# Allegro board RK3588_Template_LP4XD200P232SD8_41R0X41R0_2133MHz_H1R0_V10_20211230.brd (continued)
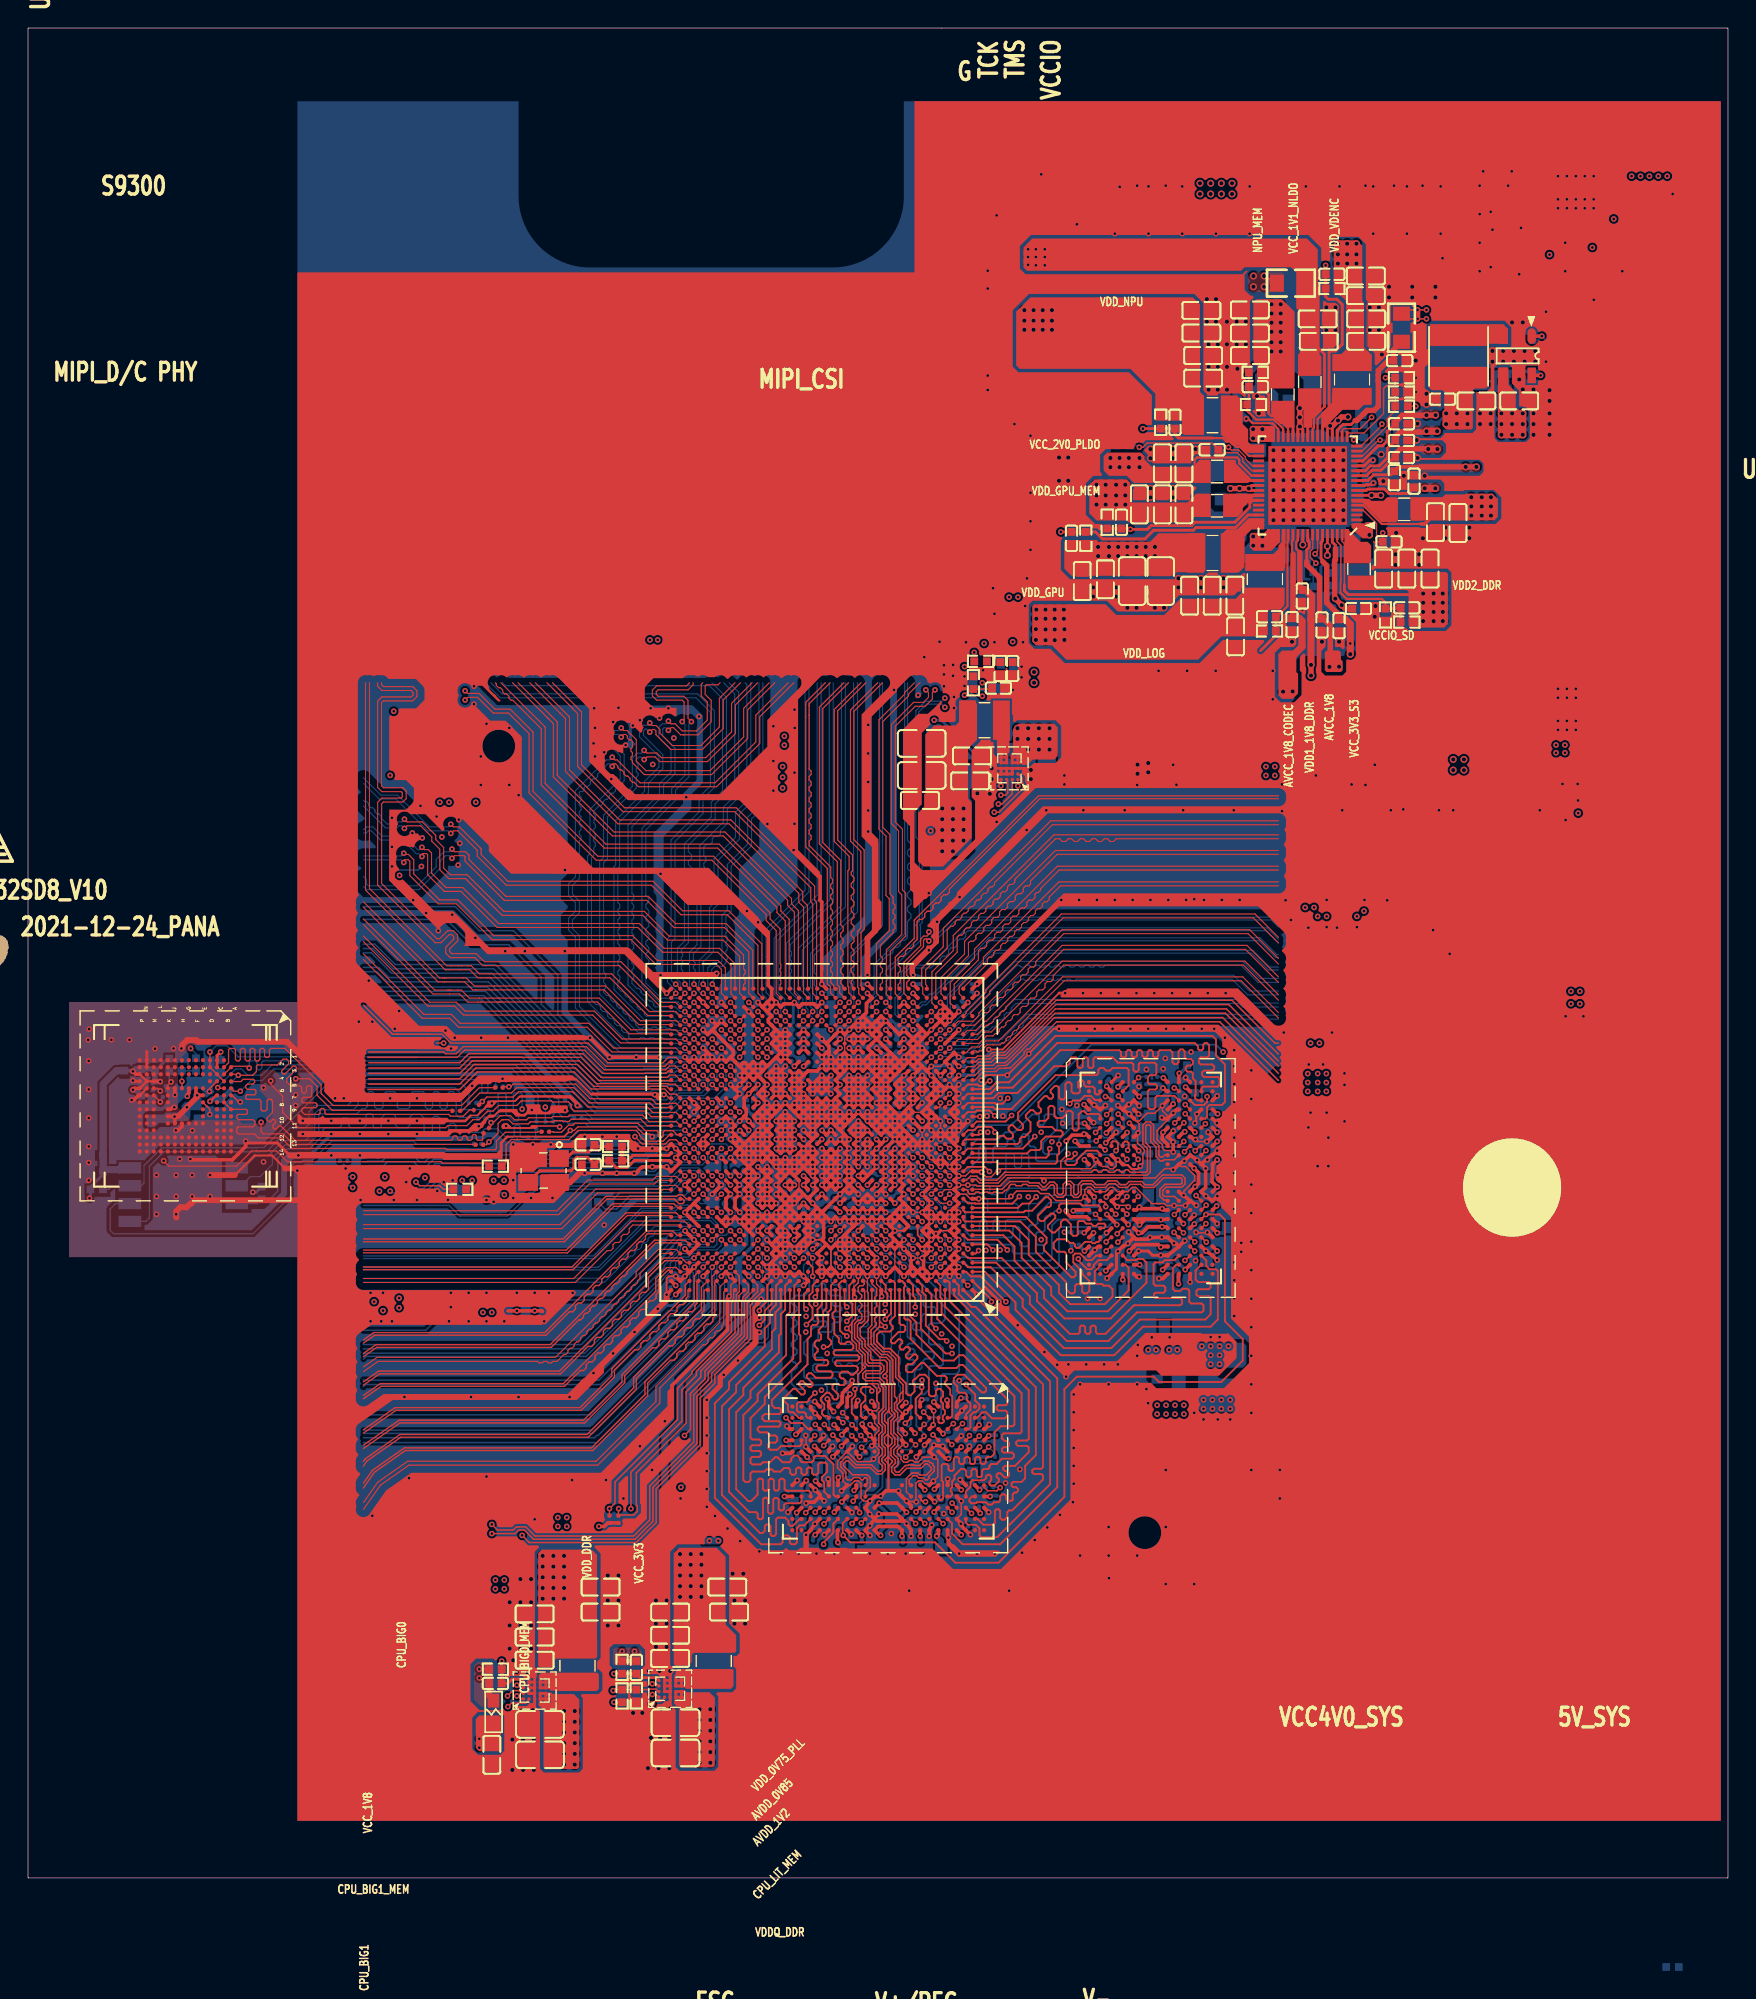
[diagram p0: board, top side]
## Routing (per net, layer and track width the routed paths; a pad name or vN(x,y) marks a point on that pad's centre or on a via; arc(x,y) is an arc through that point) (continued)
DDR_CH0_DQS1P_A: length 25.6
  TOP w0.102: U3800.D10 v1(82.39,55.05) ; v1(64.96,55.18) 64.96,54.95 64.86,54.85 U1000.AA5
  L6-S2 w0.099: v1(82.39,55.05) 82.42,55.03 82.42,54.87 82.54,54.75 82.69,54.75 82.84,54.9 82.84,55.21 82.75,55.3 82.75,55.57 82.84,55.66 82.84,57.19 81.31,58.72 72.1,58.72 70.28,56.9 69.89,56.52 69.66,56.52 68.72,55.58 67.42,55.58 67.33,55.48 67.33,55.33 67.11,55.12 66.96,55.12 66.8,54.96 66.8,54.74 66.6,54.53 65.55,54.53 65.28,54.81 65.28,55.37 65.18,55.47 65.07,55.47 64.96,55.37 v1(64.96,55.18)
DDR_CH0_DQS1P_B: length 25.4
  TOP w0.102: v1(83.06,44.63) U3800.W10 ; U1000.F5 v1(64.96,44.78)
  L6-S2 w0.099: v1(64.96,44.78) 65.09,44.78 65.19,44.68 65.19,44.45 65.69,43.94 66.67,43.94 68.36,42.26 69.81,42.26 70.23,41.83 70.75,41.83 70.84,41.74 70.84,41.51 71.05,41.3 71.34,41.3 71.55,41.51 71.55,41.74 71.64,41.83 71.77,41.83 71.86,41.74 71.86,41.51 72.06,41.3 72.36,41.3 72.57,41.51 72.57,41.74 72.66,41.83 72.78,41.83 72.87,41.74 72.87,41.51 73.08,41.3 73.37,41.3 73.58,41.51 73.58,41.74 73.67,41.83 74.17,41.83 74.46,41.55 74.77,41.55 74.93,41.71 75.39,41.71 75.49,41.61 76.71,41.61 76.86,41.45 77.52,41.45 77.67,41.61 80.72,41.61 80.98,41.86 80.98,42.21 81.56,42.79 81.56,44.31 82.05,44.81 82.89,44.81 v1(83.06,44.63)
DDR_CH0_LP4/4X_CKE0/LP5_CS0_A: length 19.1
  TOP w0.086: U1000.P7 v1(63.66,49.98)
  BOTTOM w0.086: v1(63.66,49.98) 63.84,49.98 64.16,49.65 66.52,49.65 66.65,49.78 69.15,49.78 69.63,50.26 69.63,51.47 69.72,51.56 70.1,51.56 70.23,51.44 70.23,50.67 70.36,50.55 70.61,50.55 70.74,50.67 70.74,51.44 70.87,51.56 71.12,51.56 71.25,51.44 71.25,50.65 71.37,50.52 74.88,50.52 75.03,50.37 77.6,50.37 77.7,50.27 R3801.1
DDR_CH0_LP4/4X_CKE0/LP5_CS0_B: length 18.6
  TOP w0.086: v1(65.61,48.03) 64.96,48.03 64.64,48.35 U1000.L5
  BOTTOM w0.086: R3804.1 75.06,49.02 74.63,48.59 72.47,48.59 71.88,48.01 71.37,48.01 71.25,47.88 71.25,47.12 70.99,46.86 69.72,46.86 69.6,46.74 69.6,46.23 69.47,46.1 69.29,46.1 69.16,46.23 69.16,46.74 69.04,46.86 68.83,46.86 68.71,46.74 68.71,46.23 68.58,46.1 68.4,46.1 68.27,46.23 68.27,46.74 68.14,46.86 67.89,46.86 67.76,46.74 67.76,46.23 67.64,46.1 67.31,46.1 67.18,46.23 67.18,47.94 66.99,48.13 65.72,48.13 v1(65.61,48.03)
DDR_CH0_LP4/4X_CKE0_A: length 0.9
  TOP w0.089: U3800.J4 v1(78.24,51.16)
  BOTTOM w0.086: v1(78.24,51.16) 78.24,51.03 R3801.2
DDR_CH0_LP4/4X_CKE0_B: length 1.5
  TOP w0.089: U3800.P4 v1(78.24,48.5)
  BOTTOM w0.086: v1(78.24,48.5) 78.11,48.5 77.6,49.02 R3804.2
DDR_CH0_LP4/4X_CKE1/LP5_CS1_A: length 17.3
  TOP w0.086: U1000.N7 v1(63.66,49.33)
  BOTTOM w0.086: v1(63.66,49.33) 63.83,49.33 64.15,49 67.1,49 67.37,49.28 68.35,49.28 68.47,49.15 68.47,48.77 68.6,48.64 68.86,48.64 68.98,48.77 68.98,49.15 69.11,49.28 69.41,49.28 69.99,49.86 71.2,49.86 71.35,50.01 74.7,50.01 74.85,49.86 78.33,49.86 R3802.1
DDR_CH0_LP4/4X_CKE1/LP5_CS1_B: length 17.5
  TOP w0.086: U1000.L4 v1(65.61,48.68)
  BOTTOM w0.086: v1(65.61,48.68) 67.41,48.68 67.5,48.77 67.82,48.77 68.33,48.26 68.33,47.5 68.45,47.37 70.36,47.37 70.48,47.5 70.48,47.88 70.36,48.01 69.72,48.01 69.6,48.13 69.6,48.75 69.95,49.1 74.3,49.1 74.55,49.35 78.03,49.35 78.24,49.14 R3805.1
DDR_CH0_LP4/4X_CKE1_A: length 0.9
  TOP w0.089: v1(79.04,51.16) U3800.J5
  BOTTOM w0.086: R3802.2 78.74,50.86 v1(79.04,51.16)
DDR_CH0_LP4/4X_CKE1_B: length 1.1
  TOP w0.089: v1(79.05,48.51) U3800.P5
  BOTTOM w0.086: R3805.2 78.76,49.02 79.05,48.74 v1(79.05,48.51)
DDR_CH0_LP4/4X_CS0_A: length 18.8
  TOP w0.127: U3800.H4 77.94,52.29 78.08,52.42 78.26,52.42 78.36,52.32 78.36,51.87 v1(78.29,51.81) ; U1000.R6 v1(64.31,50.63)
  L6-S2 w0.089: 66.73,50.94 66.41,50.94 66.4,50.95 66.13,50.95 64.64,50.95 v1(64.31,50.63)
  L6-S2 w0.127: 66.73,50.94 66.89,50.77 78.46,50.77 78.71,51.02 78.71,51.29 78.75,51.33 78.75,52.32 78.62,52.45 78.39,52.45 78.26,52.32 78.26,51.83 v1(78.29,51.81)
DDR_CH0_LP4/4X_CS0_B: length 21.9
  TOP w0.127: v1(78.24,47.25) U3800.R4 ; U1000.L7 v1(63.66,48.03)
  BOTTOM w0.089: v1(63.66,48.03) 63.66,47.84 63.99,47.51 63.99,47.24 64.18,47.05 64.45,47.05 64.64,46.86 64.64,46.49 65.29,45.84 65.29,44.36 65.81,43.84
  BOTTOM w0.127: 65.81,43.84 66.65,43.84 67.06,43.43 73.28,43.43 73.41,43.56 73.41,46.23 73.52,46.34 76.87,46.34 77.17,46.64 77.39,46.86 77.85,46.86 78.24,47.25 v1(78.24,47.25)
DDR_CH0_LP4/4X_CS1_A: length 22.4
  TOP w0.127: v1(63.66,50.63) 63.34,50.95 U1000.R7 ; v1(77.46,51.78) 77.6,51.91 77.6,52.31 77.47,52.44 77.23,52.44 77.14,52.35 U3800.H3
  BOTTOM w0.089: v1(63.66,50.63) 63.8,50.63 64.12,50.3 66.81,50.3 66.84,50.33
  BOTTOM w0.127: v1(77.46,51.78) 77.17,51.49 76.28,51.49 76.2,51.56 75.06,51.56 74.52,51.03 71.88,51.03 71.75,51.16 71.75,51.94 71.63,52.07 71.37,52.07 71.25,52.2 71.25,52.83 71.12,52.96 70.87,52.96 70.74,52.83 70.74,52.2 70.61,52.07 70.36,52.07 70.23,52.2 70.23,52.45 70.1,52.58 69.85,52.58 69.72,52.45 69.72,52.2 69.6,52.07 68.83,52.07 68.71,51.94 68.71,51.05 68.58,50.93 68.33,50.93 68.2,51.05 68.2,51.94 68.07,52.07 67.82,52.07 67.69,51.94 67.69,51.18 66.84,50.33
DDR_CH0_LP4/4X_CS1_B: length 21.3
  TOP w0.127: U1000.L8 v1(63.01,48.03) ; v1(77.45,47.24) U3800.R3
  BOTTOM w0.089: v1(63.01,48.03) 63.21,48.03 63.53,48.35 63.8,48.35 63.99,48.16 63.99,47.83 64.12,47.7 64.45,47.7 65.29,46.86 65.29,46.34 65.94,45.69 65.94,44.42
  BOTTOM w0.127: 65.94,44.42 66.17,44.2 66.93,44.2 67.18,43.94 72.77,43.94 72.9,44.07 72.9,46.44 73.32,46.86 76.96,46.86 77.34,47.24 v1(77.45,47.24)
DDR_CH1_A0_C: length 20
  TOP w0.127: U3801.H2 63.2,33.08 63.2,34.11 63.63,34.54 v1(63.63,34.93) ; U1000.G12 v1(60.41,45.43)
  BOTTOM w0.089: v1(60.41,45.43) 60.59,45.43 60.92,45.1 61.2,45.1 61.39,44.91 61.39,44.64 62.23,43.8 62.5,43.8 62.69,43.61 62.69,42.59
  BOTTOM w0.127: 62.69,42.59 63.75,41.53 63.75,40.77 63.88,40.64 64.52,40.64 64.64,40.51 64.64,40.26 64.52,40.13 63.75,40.13 63.63,40.01 63.63,39.62 63.5,39.5 63.12,39.5 62.99,39.37 62.99,39.12 63.12,38.99 63.5,38.99 63.63,38.86 63.63,37.59 63.75,37.47 64.39,37.47 64.52,37.34 64.52,37.08 64.39,36.96 63.88,36.96 63.63,36.7 63.63,36.32 63.5,36.2 63.25,36.2 63.12,36.07 63.12,35.08 63.25,34.95 63.6,34.95 v1(63.63,34.93)
DDR_CH1_A0_D: length 24.4
  TOP w0.127: U1000.H15 v1(57.81,46.08) ; v1(58.88,34.8) 58.88,34.75 58.9,34.72 58.9,34.32 58.65,34.06 58.65,33.07 U3801.R2
  BOTTOM w0.089: 57.18,44.96 57.49,45.27 57.49,45.58 57.81,45.9 v1(57.81,46.08)
  BOTTOM w0.127: v1(58.88,34.8) 58.9,34.8 59.13,35.03 59.13,35.81 59,35.94 57.79,35.94 57.71,36.02 56.01,36.02 55.88,36.14 55.88,36.45 56.01,36.58 56.54,36.58 56.67,36.7 56.67,36.91 56.54,37.03 56.01,37.03 55.88,37.16 55.88,37.97 56.26,38.35 56.26,38.73 56.39,38.86 57.15,38.86 57.28,38.99 57.28,39.45 57.39,39.56 57.8,39.56 57.91,39.67 57.91,39.83 57.8,39.94 57.39,39.94 57.28,40.05 57.28,40.21 57.39,40.32 57.8,40.32 57.91,40.43 57.91,40.59 57.8,40.7 57.39,40.7 57.28,40.81 57.28,40.97 57.39,41.08 57.8,41.08 57.91,41.2 57.91,41.35 57.8,41.46 57.13,41.46 57.02,41.58 57.02,41.73 57.13,41.85 57.8,41.85 57.91,41.96 57.91,42.12 57.8,42.23 57.39,42.23 57.18,42.44 57.18,44.96
DDR_CH1_A1_C: length 19.1
  TOP w0.127: v1(62.46,32.37) 62.49,32.37 U3801.J2 ; U1000.F12 60.09,45.1 v1(60.41,44.78)
  BOTTOM w0.089: 62.24,42.41 62.04,42.61 62.04,43.61 61.2,44.45 60.5,44.45 60.41,44.54 v1(60.41,44.78)
  BOTTOM w0.127: 62.24,42.41 62.61,42.04 62.61,41.66 62.74,41.53 63.27,41.53 63.4,41.4 63.4,41.15 63.27,41.02 62.74,41.02 62.61,40.89 62.61,38.53 62.72,38.42 63.01,38.42 63.12,38.31 63.12,38.15 63.01,38.04 62.72,38.04 62.61,37.93 62.61,37.77 62.72,37.66 63.01,37.66 63.12,37.55 63.12,37.39 63.01,37.28 62.72,37.28 62.61,37.17 62.61,37.01 62.72,36.9 63.01,36.9 63.12,36.79 63.12,36.63 63.01,36.52 62.72,36.52 62.61,36.41 62.61,34.54 62.85,34.31 62.85,32.27 62.72,32.15 62.59,32.15 62.46,32.27 v1(62.46,32.37)
DDR_CH1_A1_D: length 23.6
  TOP w0.127: v1(60.07,34.67) 60.07,34.8 59.92,34.96 59.44,34.96 59.29,34.8 59.29,34.62 59.61,34.29 59.61,34.01 59.3,33.69 59.3,32.88 59.42,32.75 59.62,32.75 U3801.P2 ; U1000.G14 v1(59.11,45.43)
  L6-S2 w0.089: 58.79,42.56 58.79,42.96 58.79,45.58 58.93,45.72 59.05,45.72 59.11,45.66 v1(59.11,45.43)
  L6-S2 w0.127: 58.79,42.56 58.8,42.55 58.8,42.42 58.67,42.29 58.17,42.29 58.04,42.16 58.04,41.68 58.17,41.56 58.45,41.56 58.67,41.78 58.93,41.78 59.27,42.12 59.45,42.12 59.69,41.88 59.69,41.66 59.59,41.56 59.59,41.38 59.69,41.28 59.69,41.07 59.56,40.95 58.91,40.95 58.8,40.84 58.8,40.68 58.91,40.57 59.58,40.57 59.69,40.46 59.69,40.3 59.58,40.19 59.29,40.19 59.18,40.07 59.18,39.92 59.29,39.8 59.58,39.8 59.69,39.69 59.69,38.99 60.07,38.61 60.07,38.42 60.2,38.29 60.39,38.29 60.58,38.1 60.58,37.87 60.47,37.76 60.06,37.76 59.94,37.65 59.94,37.49 60.06,37.38 60.47,37.38 60.58,37.27 60.58,37.08 60.45,36.96 60.07,36.96 59.94,36.83 59.94,36.7 60.09,36.56 60.33,36.56 60.45,36.43 60.45,36.32 60.2,36.07 60.2,35.74 60.09,35.63 60.06,35.63 59.94,35.52 59.94,35.36 60.06,35.25 60.09,35.25 60.2,35.14 60.2,34.8 v1(60.07,34.67)
DDR_CH1_A2_C: length 20.6
  TOP w0.127: U1000.E13 59.44,44.45 v1(59.76,44.13) ; v1(63.9,26.78) 63.72,26.78 63.59,26.9 63.59,27.08 U3801.H9
  L6-S2 w0.089: v1(59.76,44.13) 60.09,43.8 60.59,43.8 60.74,43.65 60.74,42.72 60.74,42.71 60.74,42.69 60.93,42.5 60.95,42.5 61.14,42.32
  L6-S2 w0.127: v1(63.9,26.78) 63.72,26.78 63.59,26.9 63.59,27.08 62.87,27.81 62.87,30.67 62.85,30.69 62.85,30.97 62.8,31.03 62.8,31.78 62.87,31.85 62.87,39.47 62.61,39.73 62.61,40.84 61.14,42.32
DDR_CH1_A2_D: length 21.8
  TOP w0.127: v1(58.75,26.82) 58.97,27.04 U3801.R9 ; U1000.G13 v1(59.76,45.43)
  L6-S2 w0.089: v1(59.76,45.43) 59.44,45.1 59.44,42.67 59.75,42.35
  L6-S2 w0.127: v1(58.75,26.82) 59.33,26.82 60.83,28.32 60.83,33.66 60.58,33.91 60.58,35.94 61.09,36.45 61.09,38.13 60.07,39.15 60.07,42.04 59.75,42.35
DDR_CH1_A3_C: length 19.9
  TOP w0.127: U3801.H10 v1(63.22,26.06) ; v1(59.76,43.48) 59.44,43.8 U1000.D13
  L6-S2 w0.089: v1(59.76,43.48) 59.77,43.45 60.09,43.13 60.09,42.65 60.43,42.32
  L6-S2 w0.127: v1(63.22,26.06) 62.89,26.39 62.89,27.15 62.1,27.94 62.1,34.29 62.36,34.54 62.36,39.14 62.13,39.37 62.13,40.61 60.43,42.32
DDR_CH1_A3_D: length 21.3
  TOP w0.127: U1000.E14 58.79,44.45 v1(59.11,44.13) ; v1(59.2,26.01) 59.2,26.12 U3801.R10
  BOTTOM w0.089: 59.6,42.51 59.44,42.67 59.44,43.34 59.44,43.8 v1(59.11,44.13)
  BOTTOM w0.127: 59.6,42.51 60.33,41.78 60.33,40.89 60.58,40.64 60.58,40.13 60.33,39.88 60.33,39.24 60.96,38.61 60.96,37.34 60.66,37.03 60.66,35.2 60.96,34.9 60.96,33.53 60.83,33.4 60.83,27.81 60.3,27.28 59.82,27.28 59.2,26.67 v1(59.2,26.01)
DDR_CH1_A4_C: length 19.3
  TOP w0.127: v1(61.03,39.77) 61.44,40.18 61.44,41.8 U1000.A10 ; U3801.H11 v1(63.85,25.23)
  L6-S2 w0.127: v1(61.03,39.77) 61.98,38.83 61.98,35.28 61.59,34.9 61.59,26.49 62.43,25.65 63.42,25.65 v1(63.85,25.23)
DDR_CH1_A4_D: length 19.7
  TOP w0.127: U3801.R11 58.67,25.25 v1(58.67,25.23) ; U1000.A15 58.14,40.79 v1(58.29,40.64)
  L6-S2 w0.127: v1(58.29,40.64) 58.32,40.64 58.67,40.28 58.67,39.88 59.31,39.24 59.31,38.73 59.56,38.48 59.56,35.18 59.69,35.05 59.69,33.4 59.56,33.27 59.56,33.02 59.82,32.77 60.07,32.77 60.45,32.39 60.45,30.61 59.69,29.85 59.69,27.76 59.16,27.23 58.6,27.23 58.29,26.92 58.29,25.63 58.67,25.25 v1(58.67,25.23)
DDR_CH1_A5_C: length 20.4
  TOP w0.127: U1000.B11 60.74,42.5 61.06,42.19 61.06,41.73 61.18,41.6 61.18,41.04 61.03,40.89 v1(61.03,40.84) ; U3801.J11 v1(63.2,25.23)
  L6-S2 w0.127: v1(63.2,25.23) 62.85,24.88 62.4,24.88 61.21,26.07 61.21,35.2 61.59,35.59 61.59,38.16 60.69,39.07 60.69,40.5 v1(61.03,40.84)
DDR_CH1_A5_D: length 21.4
  TOP w0.127: U1000.B14 58.79,42.5 58.47,42.18 58.47,41.1 58.7,40.87 58.7,40.03 v1(58.29,39.62) ; U3801.P11 v1(59.32,25.26)
  L6-S2 w0.127: v1(59.32,25.26) 58.93,24.87 58.5,24.87 57.91,25.45 57.91,26.16 57.56,26.52 57.56,27.71 57.79,27.94 57.89,27.94 58.29,28.35 58.29,31.62 58.55,31.88 58.8,31.88 59.03,32.11 59.03,33.15 58.7,33.48 58.7,34.11 59.3,34.71 59.3,34.89 59.18,35 59.18,38.32 58.67,38.83 58.67,39.24 v1(58.29,39.62)
DDR_CH1_CLKN_C: length 21.8
  TOP w0.102: U3801.J9 62.53,27.49 62.53,28.43 62.93,28.83 63.35,28.83 63.5,28.68 63.95,28.68 64.32,29.05 64.32,29.19 64.04,29.47 63.9,29.47 63.58,29.16 62.55,29.16 62.08,28.69 61.72,28.69 61.49,28.92 61.49,29.26 61.75,29.52 61.75,29.76 61.44,30.06 61.44,30.57 61.71,30.85 61.71,31.34 61.44,31.62 61.44,32.55 61.71,32.82 61.71,33.03 61.49,33.26 61.49,35.13 61.37,35.26 61.37,36.8 61.1,37.06 60.66,37.06 59.82,37.91 59.82,39.09 60.07,39.34 60.07,41.83 U1000.A12
DDR_CH1_CLKN_D: length 24.8
  TOP w0.102: U3801.P9 59.62,27.49 59.97,27.84 59.97,28.48 59.75,28.7 58.7,28.7 58.06,29.34 58.06,29.5 58.25,29.69 58.39,29.69 58.87,29.21 59.97,29.21 60.42,28.76 60.76,28.76 61.03,29.03 61.03,29.42 60.78,29.67 60.78,29.84 61.03,30.09 61.03,30.59 60.78,30.85 60.78,31.46 61.03,31.71 61.03,32.19 60.78,32.45 60.78,33.06 61.08,33.36 61.08,34.97 60.96,35.09 60.96,35.28 60.64,35.6 59.72,35.6 59.63,35.69 59.63,35.82 59.72,35.91 60.72,35.91 60.93,36.12 60.93,36.43 60.71,36.65 59.9,36.65 59.8,36.75 59.8,37.35 59.39,37.76 59.39,38.18 59.05,38.51 59.05,39.38 59.18,39.5 59.34,39.5 59.56,39.72 59.56,41.73 U1000.A13
DDR_CH1_CLKP_C: length 22.5
  TOP w0.102: U3801.J8 62.84,27.95 62.74,28.05 62.74,28.35 63.02,28.63 63.26,28.63 63.42,28.47 63.75,28.47 63.89,28.34 64.03,28.34 64.14,28.45 64.14,28.58 64.52,28.96 64.52,29.27 64.42,29.37 64.42,29.46 64.32,29.56 64.23,29.56 64.12,29.67 63.81,29.67 63.5,29.36 63.07,29.36 63.02,29.41 62.71,29.41 62.66,29.36 62.47,29.36 62,28.89 61.8,28.89 61.69,29 61.69,29.18 61.95,29.44 61.95,29.84 61.64,30.15 61.64,30.49 61.92,30.77 61.92,31.43 61.64,31.7 61.64,32.46 61.92,32.74 61.92,33.12 61.69,33.34 61.69,33.78 61.85,33.94 61.85,34.13 61.69,34.29 61.69,35.22 61.57,35.34 61.57,36.88 61.19,37.26 60.75,37.26 60.02,37.99 60.02,39 60.38,39.37 60.38,39.51 60.27,39.62 60.27,39.83 60.42,39.97 60.42,40.11 60.27,40.26 60.27,40.56 60.42,40.71 60.42,41.02 60.35,41.09 60.27,41.16 60.27,41.32 60.42,41.47 60.42,41.96 60.09,42.29 U1000.B12
DDR_CH1_CLKP_D: length 25.8
  TOP w0.102: U3801.P8 59.76,28.1 59.76,28.4 59.68,28.49 59.58,28.49 59.44,28.35 59.33,28.35 59.18,28.5 58.8,28.5 58.64,28.33 58.36,28.33 58.23,28.46 58.23,28.89 57.86,29.25 57.86,29.59 58.25,29.97 58.39,29.97 58.95,29.41 60.05,29.41 60.51,28.96 60.68,28.96 60.83,29.11 60.83,29.34 60.58,29.59 60.58,29.92 60.83,30.17 60.83,30.51 60.57,30.77 60.57,31.54 60.83,31.8 60.83,32.11 60.57,32.37 60.57,33.14 60.88,33.45 60.88,34.88 60.76,35 60.76,35.19 60.55,35.4 59.64,35.4 59.43,35.61 59.43,35.9 59.64,36.11 60.64,36.11 60.73,36.2 60.73,36.35 60.63,36.45 59.81,36.45 59.59,36.67 59.59,37.27 59.18,37.68 59.18,38.09 58.85,38.43 58.85,39.46 59.09,39.7 59.26,39.7 59.36,39.81 59.36,40.13 59.18,40.31 59.18,40.46 59.36,40.64 59.36,40.84 59.19,41.01 59.19,41.16 59.36,41.33 59.36,41.48 59.1,41.74 59.1,42.04 59.23,42.16 59.43,42.16 59.53,42.27 59.53,42.41 U1000.B13
DDR_CH1_DM0_C: length 17.5
  TOP w0.127: v1(66.8,35.13) 66.8,35.05 67.44,34.42 67.44,33.98 67.74,33.68 67.74,33.43 67.46,33.15 67.31,33.15 67.09,32.93 67.09,32.08 66.97,31.95 U3801.C3 ; U1000.F8 v1(63.01,44.78)
  L6-S2 w0.089: v1(63.01,44.78) 62.69,44.45 62.5,44.45 62.5,44.45 62.23,44.45 62.23,44.45 62.1,44.45 61.98,44.32 61.98,43 62.02,42.96 62.02,42.37
  L6-S2 w0.127: v1(66.8,35.13) 66.8,38.35 65.09,40.07 64.33,40.07 62.02,42.37
DDR_CH1_DM0_D: length 14.7
  TOP w0.127: v1(55.21,44.13) 54.89,43.8 U1000.D20 ; U3801.Y3 55.55,31.95 55.12,32.39 54.33,32.39 v1(53.96,32.75)
  L6-S2 w0.089: v1(55.21,44.13) 55.37,43.97 55.37,43.31 55.54,43.14 55.54,41.95
  L6-S2 w0.127: 55.54,41.95 54.86,41.28 54.86,40.26 54.1,39.5 54.1,32.89 v1(53.96,32.75)
DDR_CH1_DM1_C: length 21.8
  TOP w0.127: v1(64.97,43.48) 65.29,43.8 U1000.D4 ; U3801.C10 v1(67.17,25.95)
  L6-S2 w0.089: 67.16,41.04 66.55,41.66 66.55,41.78 65.91,42.42 65.41,42.42 65.28,42.55 65.28,42.68 65.29,42.69 65.29,42.96 65.28,42.97 65.28,43.17 v1(64.97,43.48)
  L6-S2 w0.127: 67.16,41.04 69.6,38.61 69.6,28.83 67.69,26.92 67.69,26.54 67.17,26.03 v1(67.17,25.95)
DDR_CH1_DM1_D: length 21.1
  TOP w0.127: U1000.D22 53.59,43.8 v1(53.91,43.48) ; U3801.Y10 v1(55.37,26)
  L6-S2 w0.089: v1(53.91,43.48) 53.59,43.16 53.59,42.97 53.59,42.96 53.59,42.69 53.59,42.69 53.59,42.29 53.31,42.01
  L6-S2 w0.127: v1(55.37,26) 54.83,26.54 53.85,26.54 52.07,28.32 52.07,38.23 52.58,38.73 52.58,40.46 53.21,41.1 53.21,41.91 53.31,42.01
DDR_CH1_DQ0_C: length 17.3
  TOP w0.127: U3801.B2 67.55,32.75 67.94,33.15 68.2,33.15 68.63,32.72 69.55,32.72 69.72,32.89 69.72,33.16 69.61,33.27 69.07,33.27 68.96,33.38 68.96,33.54 69.07,33.65 69.61,33.65 69.72,33.76 69.72,34.09 66.6,37.21 66.29,37.21 65.91,36.83 65.1,36.83 63.25,38.68 63.25,39.55 62.78,40.01 62.78,41.62 62.69,41.71 U1000.A8
DDR_CH1_DQ0_D: length 18.7
  TOP w0.127: U3801.AA2 54.88,32.75 54.48,33.15 54.23,33.15 54.1,33.27 54.1,33.68 53.81,33.97 53.81,34.15 54.48,34.82 54.64,34.82 55.04,34.41 55.2,34.41 55.31,34.52 55.31,34.68 54.9,35.09 54.9,35.25 55.02,35.36 55.17,35.36 55.58,34.95 55.74,34.95 55.85,35.06 55.85,35.22 55.44,35.63 55.44,35.79 55.59,35.93 55.77,35.93 56.08,35.61 57.15,35.61 57.28,35.74 57.28,35.94 57.15,36.07 56.26,36.07 56.13,36.2 56.13,36.38 56.25,36.49 56.86,36.49 56.97,36.6 56.97,36.76 56.86,36.87 56.12,36.87 56.01,36.98 56.01,37.27 56.22,37.48 56.22,37.66 56.01,37.87 56.01,38.14 56.12,38.25 56.33,38.25 56.46,38.38 56.46,38.67 56.29,38.84 56.29,39.02 56.61,39.34 56.61,40.33 56.84,40.56 56.84,41.85 U1000.A17
DDR_CH1_DQ1_C: length 18.6
  TOP w0.127: U3801.C2 66.77,32.99 67.1,33.31 67.1,33.78 66.97,33.91 66.93,33.91 66.84,34 66.84,34.38 66.67,34.54 66.29,34.54 66.17,34.67 66.17,34.99 65.91,35.25 65.91,35.56 66.18,35.82 66.65,35.82 67.91,34.56 68.09,34.56 68.22,34.69 68.22,34.87 66.57,36.52 66.32,36.52 66.1,36.3 64.89,36.3 62.84,38.36 62.84,39.62 62.71,39.75 62.48,39.75 62.4,39.84 62.4,41.33 62.36,41.36 62.36,42.04 62.44,42.12 62.44,42.3 62.24,42.5 U1000.B9
DDR_CH1_DQ1_D: length 16.5
  TOP w0.127: U1000.B16 57.49,42.5 57.17,42.18 57.17,40.48 56.97,40.28 56.97,38.43 57.18,38.22 57.18,38.01 56.97,37.8 v1(56.64,37.8) ; U3801.Y2 55.52,32.75 55.39,32.88 55.39,33.02 55.27,33.15 54.86,33.15 54.74,33.27 54.74,33.74 54.86,33.87 55.46,33.87 55.58,34 55.58,34.08 v1(56.03,34.52)
  L6-S2 w0.127: v1(56.64,37.8) 56.76,37.91 56.76,38.09 56.57,38.27 56.39,38.27 56.08,37.97 56.08,37.77 56.23,37.62 56.23,37.44 56.11,37.31 55.75,37.31 55.63,37.18 55.63,36.98 55.74,36.87 55.93,36.87 56.05,36.76 56.05,36.6 55.93,36.49 55.74,36.49 55.63,36.37 55.63,36.22 55.74,36.11 55.93,36.11 56.05,35.99 56.05,35.84 55.93,35.72 55.74,35.72 55.63,35.61 55.63,35.45 55.74,35.34 55.93,35.34 56.05,35.23 56.05,35.07 55.93,34.96 55.74,34.96 55.63,34.85 55.63,34.42 55.75,34.29 55.93,34.29 56.03,34.39 v1(56.03,34.52)
DDR_CH1_DQ2_C: length 17.4
  TOP w0.127: U1000.A9 62.04,41.85 62.04,39.49 62.17,39.36 62.34,39.36 62.46,39.24 62.46,38.99 62.33,38.86 61.98,38.86 61.44,38.33 61.44,38.15 61.53,38.06 61.69,38.06 61.97,38.34 62.13,38.34 62.24,38.23 62.24,38.07 62.05,37.88 62.05,37.73 62.17,37.61 62.32,37.61 62.51,37.8 62.67,37.8 62.78,37.69 62.78,37.53 62.5,37.25 62.5,37.09 62.61,36.98 62.77,36.98 63.05,37.26 63.21,37.26 63.32,37.15 63.32,36.97 62.92,36.58 62.64,36.58 62.51,36.45 62.51,36.13 62.64,36 62.93,36 63.59,36.67 63.77,36.67 64.7,35.74 65.28,35.74 65.41,35.62 65.41,35.43 65.3,35.32 65.3,35.14 65.66,34.78 65.66,34.42 65.79,34.28 65.79,32.88 65.67,32.75 U3801.E2
DDR_CH1_DQ2_D: length 21.2
  TOP w0.127: U3801.V2 57.02,32.76 56.89,32.89 56.69,32.89 56.54,33.04 56.54,33.22 56.69,33.38 56.69,33.73 56.44,33.98 56.44,34.16 56.57,34.29 56.59,34.29 56.84,34.54 57.02,34.54 57.28,34.29 57.28,34.16 57.38,34.06 57.56,34.06 57.66,34.16 57.66,34.44 57.28,34.82 57.28,35.04 57.4,35.17 57.67,35.17 57.75,35.09 58.08,35.09 58.2,35.22 58.2,35.4 58.04,35.56 57.91,35.56 57.79,35.69 57.79,35.89 57.94,36.04 58.37,36.04 58.58,35.83 58.76,35.83 59.08,36.14 59.08,36.32 58.95,36.45 57.58,36.45 57.48,36.55 57.48,36.73 57.58,36.83 59.05,36.83 59.17,36.96 59.17,37.09 59.05,37.21 57.46,37.21 57.36,37.31 57.36,37.47 57.48,37.59 58.64,37.59 58.76,37.72 58.76,37.9 58.49,38.17 58.31,38.17 58.17,38.03 57.85,38.03 57.73,38.15 57.73,38.42 57.4,38.74 57.4,39.75 57.28,39.88 57.28,40.18 57.49,40.4 57.49,41.85 U1000.A16
DDR_CH1_DQ3_C: length 19.3
  TOP w0.127: U3801.F2 64.82,32.46 64.91,32.37 65.09,32.37 65.2,32.49 65.2,32.56 65.12,32.65 65.12,32.87 65.28,33.02 65.28,33.27 65.15,33.4 65.15,33.78 64.98,33.94 64.98,34.12 65.15,34.29 65.15,34.61 64.95,34.81 64.77,34.81 64.64,34.68 64.64,34.42 64.52,34.29 64.26,34.29 64.14,34.42 64.14,35.56 63.87,35.82 63.48,35.82 63.18,35.52 63.12,35.52 62.99,35.39 62.99,35.18 63.12,35.05 63.12,34.63 62.85,34.36 62.66,34.36 62.52,34.5 62.52,35.19 61.99,35.72 61.99,37.07 61.38,37.68 60.92,37.68 60.44,38.16 60.44,38.68 60.66,38.9 61.37,38.9 61.57,39.09 61.57,39.27 61.38,39.46 61.38,39.66 61.72,40 61.72,42.38 61.59,42.5 U1000.B10
DDR_CH1_DQ3_D: length 16.3
  TOP w0.127: U1000.B15 58.11,42.48 57.92,42.48 57.72,42.28 57.72,42.1 57.81,42.01 57.81,38.97 58.04,38.73 58.13,38.73 v1(58.29,38.57) ; v1(58.01,32.41) U3801.U2
  L6-S2 w0.127: v1(58.29,38.57) 58.29,38.39 58.42,38.26 58.71,38.26 58.8,38.17 58.8,37.97 58.69,37.86 58.12,37.86 58.01,37.75 58.01,37.59 58.12,37.48 58.69,37.48 58.8,37.37 58.8,37.21 58.69,37.1 58.12,37.1 58.01,36.99 58.01,36.83 58.12,36.72 58.69,36.72 58.8,36.61 58.8,36.43 58.67,36.3 58.14,36.3 58.01,36.16 58.01,35.87 58.12,35.76 58.2,35.76 58.31,35.65 58.31,35.49 58.2,35.38 58.12,35.38 58.01,35.27 58.01,35.11 58.12,35 58.2,35 58.31,34.89 58.31,34.73 58.2,34.62 58.12,34.62 58.01,34.5 58.01,34.29 58.13,34.16 58.29,34.16 58.39,34.06 58.39,33.88 58.29,33.78 58.17,33.78 58.06,33.68 58.06,33.55 58.39,33.22 58.39,32.79 v1(58.01,32.41)
DDR_CH1_DQ4_C: length 12.5
  TOP w0.127: U3801.F4 v1(64.43,31.54) ; U1000.A6 63.99,41.85 64.33,41.52 64.33,39.43 v1(64.64,39.11)
  L6-S2 w0.127: v1(64.43,31.54) 64.1,31.88 63.63,31.88 63.25,32.26 63.25,37.72 v1(64.64,39.11)
DDR_CH1_DQ4_D: length 14.5
  TOP w0.127: v1(55.39,40.48) 55.24,40.64 55.24,41.55 U1000.A19 ; U3801.U4 v1(57.3,31.52)
  L6-S2 w0.127: v1(57.3,31.52) 56.92,31.14 55.21,31.14 55.01,31.34 55.01,31.86 54.86,32 54.86,37.83 55.88,38.84 55.88,40.13 55.53,40.48 v1(55.39,40.48)
DDR_CH1_DQ5_C: length 14.8
  TOP w0.127: U1000.B7 63.34,42.5 63.68,42.17 63.68,41.7 63.92,41.46 63.92,39.32 64.89,38.35 65.28,38.35 v1(65.41,38.23) ; U3801.E4 v1(65.77,30.85)
  L6-S2 w0.127: v1(65.77,30.85) 65.43,31.19 65.07,31.19 64.8,31.47 64.8,32.61 64.64,32.77 64.26,32.77 64.14,32.89 64.14,36.96 v1(65.41,38.23)
DDR_CH1_DQ5_D: length 16.1
  TOP w0.127: U3801.V4 v1(56.65,30.78) ; U1000.B18 56.19,42.5 55.86,42.18 55.86,41.72 55.63,41.48 55.63,40.82 55.85,40.59 55.85,39.82 v1(55.42,39.39)
  L6-S2 w0.127: v1(55.42,39.39) 54.76,39.39 54.48,39.12 54.48,32 54.31,31.83 54.31,31.42 54.74,30.99 54.74,30.73 55.12,30.35 56.22,30.35 v1(56.65,30.78)
DDR_CH1_DQ6_C: length 14.3
  TOP w0.127: U1000.A7 63.34,41.68 63.56,41.46 63.56,39.1 65.33,37.34 v1(65.79,37.34) ; U3801.C4 67.03,31.41 v1(67.03,31.49)
  L6-S2 w0.127: v1(65.79,37.34) 65.02,36.58 65.02,33.15 65.15,33.02 65.15,32.13 66.17,31.12 66.65,31.12 v1(67.03,31.49)
DDR_CH1_DQ6_D: length 14.1
  TOP w0.127: U3801.Y4 55.72,31.21 v1(56.01,31.5) ; U1000.A18 56.19,41.49 56.06,41.36 v1(56.05,41.36)
  L6-S2 w0.089: 56.01,40.44 55.55,40.89 55.37,40.89 55.24,41.02 55.24,41.28 55.62,41.65 55.97,41.65 56.05,41.56 v1(56.05,41.36)
  L6-S2 w0.127: v1(56.01,31.5) 55.24,32.26 55.24,32.87 55.55,33.17 55.55,33.48 55.24,33.78 55.24,37.67 55.38,37.81 55.56,37.81 55.69,37.93 55.69,38.11 56.26,38.68 56.26,38.99 56.39,39.12 56.52,39.12 56.64,39.24 56.64,39.5 56.52,39.62 56.39,39.62 56.26,39.75 56.26,40.18 56.01,40.44
DDR_CH1_DQ7_C: length 15.5
  TOP w0.127: U3801.B4 v1(67.72,31.46) ; v1(63.17,40.64) 63.17,41.29 63.01,41.45 63.01,42.18 U1000.B8
  L6-S2 w0.127: v1(67.72,31.46) 67.6,31.46 67.18,31.88 65.79,31.88 65.53,32.13 65.53,33.4 65.91,33.78 65.91,36.7 66.42,37.21 66.42,37.97 64.74,39.65 64.19,39.65 63.2,40.64 v1(63.17,40.64)
DDR_CH1_DQ7_D: length 22.5
  TOP w0.127: U3801.AA4 55.07,30.87 54.94,30.73 53.59,30.73 53.34,30.48 52.83,30.48 52.7,30.61 52.7,30.86 52.83,30.99 53.21,30.99 53.34,31.12 53.34,31.37 53.21,31.5 52.83,31.5 52.61,31.72 52.1,31.72 51.94,31.87 51.94,32 52.07,32.13 53.47,32.13 53.57,32.23 53.57,32.41 53.47,32.51 52.45,32.51 52.28,32.68 52.28,32.86 52.45,33.02 53.49,33.02 53.62,33.15 53.62,33.33 53.49,33.45 53.16,33.45 52.96,33.66 52.96,34.02 55.5,36.56 55.5,38.37 55.74,38.61 55.74,39.07 55.75,39.08 55.75,39.24 55.88,39.37 56.13,39.37 56.26,39.5 56.26,39.75 56.21,39.81 56.21,40.48 56.51,40.79 56.51,42.38 56.64,42.5 U1000.B17
DDR_CH1_DQ8_C: length 25.3
  TOP w0.127: U3801.B11 67.61,25.55 68.01,25.15 68.71,25.15 68.83,25.27 68.83,26.13 68.93,26.23 69.11,26.23 69.22,26.13 69.22,25.62 69.34,25.5 69.52,25.5 69.72,25.69 69.72,26.04 69.85,26.16 70.06,26.16 72.26,28.36 72.26,28.64 72.15,28.75 71.61,28.75 71.5,28.86 71.5,29.02 71.61,29.13 72.15,29.13 72.26,29.24 72.26,35.14 65.94,41.46 U1000.A3
DDR_CH1_DQ8_D: length 26
  TOP w0.127: U1000.A22 53.59,40.64 53.21,40.26 53.21,39.12 52.96,38.86 52.96,37.64 50.42,35.1 50.42,34.59 49.4,33.57 49.4,27.26 52.11,24.55 52.29,24.55 52.45,24.71 52.45,25.04 52.56,25.16 52.74,25.16 52.86,25.03 52.86,24.45 52.98,24.34 53.13,24.34 53.26,24.47 53.26,25.53 53.39,25.65 53.9,25.65 54.14,25.42 54.14,25.2 54.26,25.07 54.46,25.07 54.94,25.55 U3801.AA11
